# Allegro board rfmc_frontend_v1_00.brd
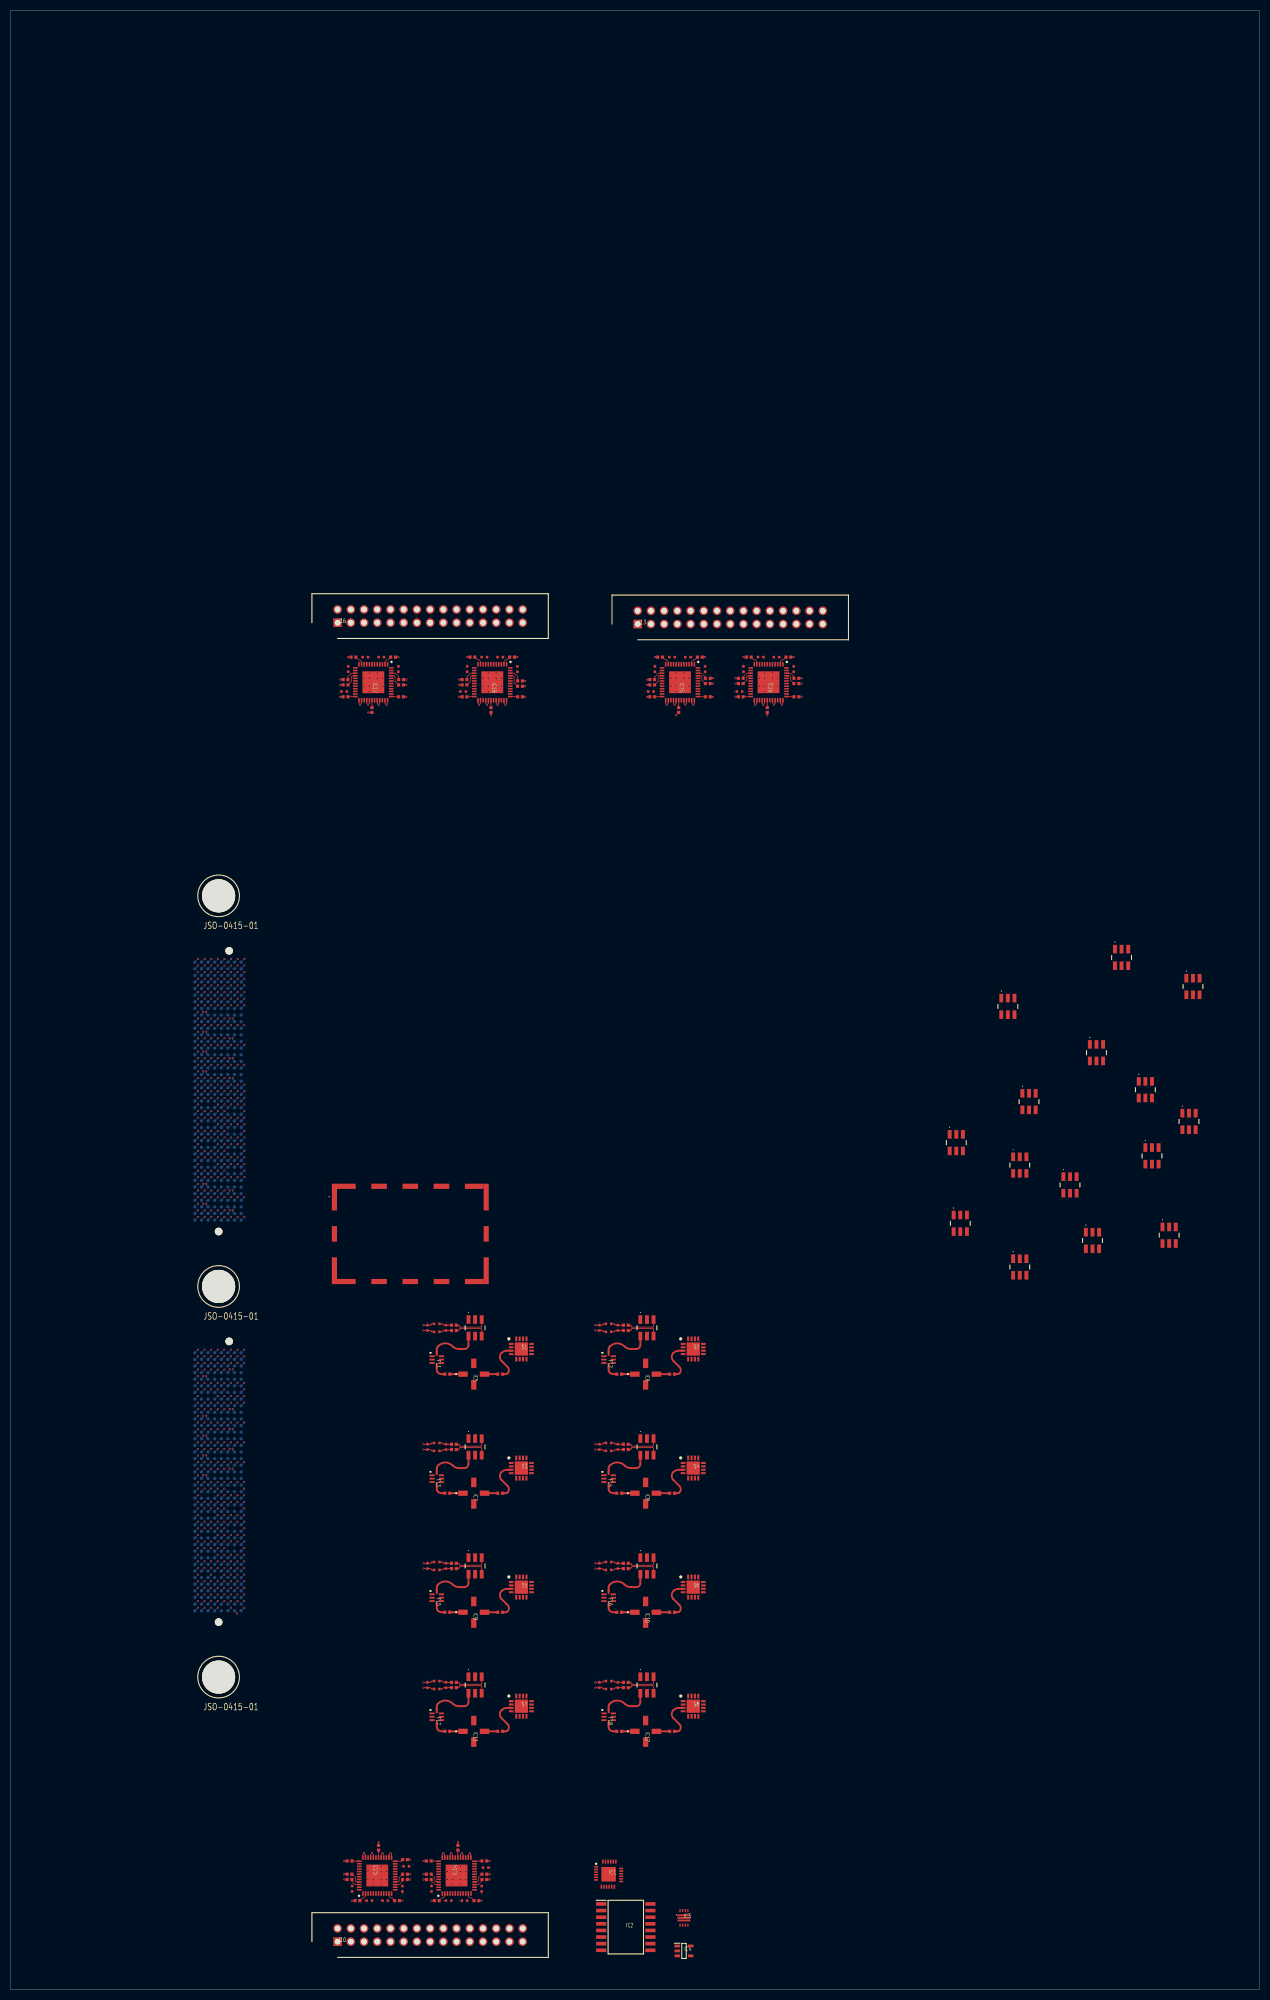
[diagram p0: board, top side]
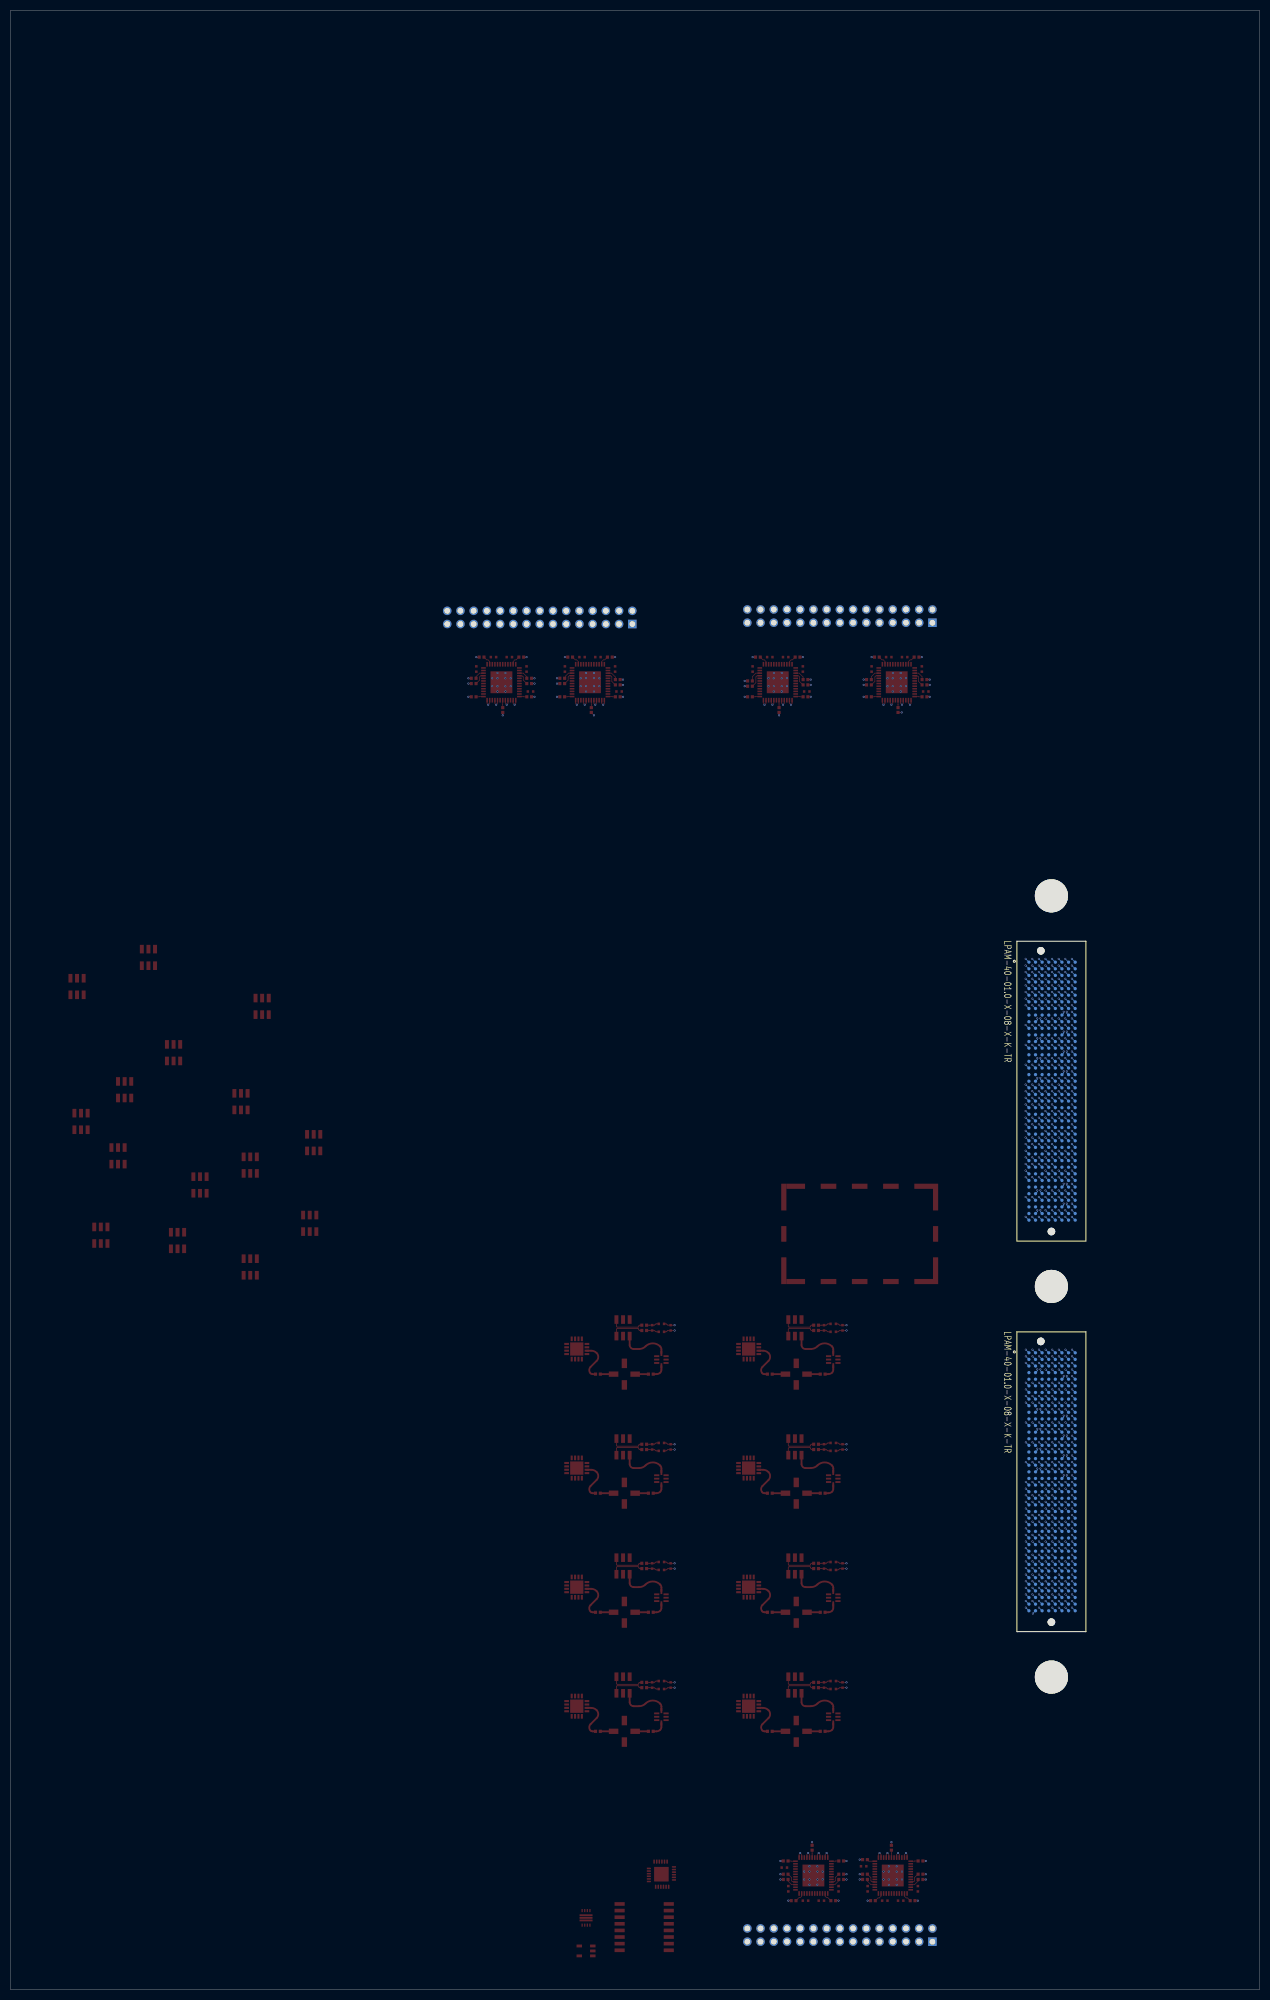
[diagram p1: board, bottom side, seen from below]

Outline 240 x 380 mm; copper layers: TOP, RF_SIG, GND, PWR, D_SIG, BOTTOM. Coordinates in mm from the lower left corner of the outline.
Outline path: 0,380 240,380 240,0 0,0 0,380

## Design rules (mm)
constraint set DEFAULT: min track width 0.15, pair gap 0.119
net group DIFFPAIR0: nets ADC_00_N ADC_00_P
net group DIFFPAIR1: nets ADC_01_N ADC_01_P
net group DIFFPAIR2: nets ADC_02_N ADC_02_P
net group DIFFPAIR3: nets ADC_03_N ADC_03_P
net group DIFFPAIR4: nets ADC_04_N ADC_04_P
net group DIFFPAIR5: nets ADC_05_N ADC_05_P
net group DIFFPAIR6: nets ADC_06_N ADC_06_P
net group DIFFPAIR7: nets ADC_07_N ADC_07_P
net group DIFFPAIR8: nets ADC_CLK_N_0 ADC_CLK_P_0
net group DIFFPAIR9: nets ADC_CLK_N_1 ADC_CLK_P_1
net group DIFFPAIR10: nets ADC_CLK_N_2 ADC_CLK_P_2
net group DIFFPAIR11: nets ADC_CLK_N_3 ADC_CLK_P_3
net group DIFFPAIR15: nets DAC_03_N DAC_03_P
net group DIFFPAIR16: nets DAC_04_N DAC_04_P
net group DIFFPAIR18: nets DAC_06_N DAC_06_P
net group DIFFPAIR19: nets DAC_07_N DAC_07_P
net group DIFFPAIR20: nets DAC_CLK_N_0 DAC_CLK_P_0
net group DIFFPAIR21: nets DAC_CLK_N_1 DAC_CLK_P_1
net group DIFFPAIR22: nets EXT_CLK_N EXT_CLK_P
net group DIFFPAIR23: nets LVDS_IO_N_0 LVDS_IO_P_0
net group DIFFPAIR24: nets LVDS_IO_N_1 LVDS_IO_P_1
net group DIFFPAIR25: nets LVDS_IO_N_10 LVDS_IO_P_10
net group DIFFPAIR26: nets LVDS_IO_N_11 LVDS_IO_P_11
net group DIFFPAIR27: nets LVDS_IO_N_12 LVDS_IO_P_12
net group DIFFPAIR28: nets LVDS_IO_N_13 LVDS_IO_P_13
net group DIFFPAIR29: nets LVDS_IO_N_14 LVDS_IO_P_14
net group DIFFPAIR30: nets LVDS_IO_N_15 LVDS_IO_P_15
net group DIFFPAIR31: nets LVDS_IO_N_16 LVDS_IO_P_16
net group DIFFPAIR32: nets LVDS_IO_N_17 LVDS_IO_P_17
net group DIFFPAIR33: nets LVDS_IO_N_18 LVDS_IO_P_18
net group DIFFPAIR34: nets LVDS_IO_N_19 LVDS_IO_P_19
net group DIFFPAIR35: nets LVDS_IO_N_2 LVDS_IO_P_2
net group DIFFPAIR36: nets LVDS_IO_N_20 LVDS_IO_P_20
net group DIFFPAIR37: nets LVDS_IO_N_21 LVDS_IO_P_21
net group DIFFPAIR38: nets LVDS_IO_N_22 LVDS_IO_P_22
net group DIFFPAIR39: nets LVDS_IO_N_23 LVDS_IO_P_23
net group DIFFPAIR40: nets LVDS_IO_N_3 LVDS_IO_P_3
net group DIFFPAIR41: nets LVDS_IO_N_4 LVDS_IO_P_4
net group DIFFPAIR42: nets LVDS_IO_N_5 LVDS_IO_P_5
net group DIFFPAIR43: nets LVDS_IO_N_6 LVDS_IO_P_6
net group DIFFPAIR44: nets LVDS_IO_N_7 LVDS_IO_P_7
net group DIFFPAIR45: nets LVDS_IO_N_8 LVDS_IO_P_8
net group DIFFPAIR46: nets LVDS_IO_N_9 LVDS_IO_P_9
net group DIFFPAIR47: nets N00697_CH0 N00708_CH0
net group DIFFPAIR48: nets N00697_CH1 N00708_CH1
net group DIFFPAIR49: nets N00697_CH2 N00708_CH2
net group DIFFPAIR50: nets N00697_CH3 N00708_CH3
net group DIFFPAIR51: nets N00697_CH4 N00708_CH4
net group DIFFPAIR52: nets N00697_CH5 N00708_CH5
net group DIFFPAIR53: nets N00697_CH6 N00708_CH6
net group DIFFPAIR54: nets N00697_CH7 N00708_CH7

## Placement (name value [footprint] x y rotation side)
C38  100nF  [CAPC1005X55N]  85.21 126.55 0 top
C40  100nF  [CAPC1005X55N]  85.21 127.56 0 top
C41  100nF  [CAPC1005X55N]  83.94 118.17 0 top
C42  100nF  [CAPC1005X55N]  94.1 118.17 0 top
C50  100nF  [CAPC1005X55N]  118.23 126.55 0 top
C52  100nF  [CAPC1005X55N]  118.23 127.56 0 top
C53  100nF  [CAPC1005X55N]  116.96 118.17 0 top
C54  100nF  [CAPC1005X55N]  127.12 118.17 0 top
C62  100nF  [CAPC1005X55N]  85.21 103.69 0 top
C64  100nF  [CAPC1005X55N]  85.21 104.7 0 top
C65  100nF  [CAPC1005X55N]  83.94 95.31 0 top
C66  100nF  [CAPC1005X55N]  94.1 95.31 0 top
C74  100nF  [CAPC1005X55N]  118.23 103.69 0 top
C76  100nF  [CAPC1005X55N]  118.23 104.7 0 top
C77  100nF  [CAPC1005X55N]  116.96 95.31 0 top
C78  100nF  [CAPC1005X55N]  127.12 95.31 0 top
C86  100nF  [CAPC1005X55N]  85.21 80.83 0 top
C88  100nF  [CAPC1005X55N]  85.21 81.84 0 top
C89  100nF  [CAPC1005X55N]  83.94 72.45 0 top
C90  100nF  [CAPC1005X55N]  94.1 72.45 0 top
C98  100nF  [CAPC1005X55N]  118.23 80.83 0 top
C100  100nF  [CAPC1005X55N]  118.23 81.84 0 top
C101  100nF  [CAPC1005X55N]  116.96 72.45 0 top
C102  100nF  [CAPC1005X55N]  127.12 72.45 0 top
C110  100nF  [CAPC1005X55N]  85.21 57.97 0 top
C112  100nF  [CAPC1005X55N]  85.21 58.98 0 top
C113  100nF  [CAPC1005X55N]  83.94 49.59 0 top
C114  100nF  [CAPC1005X55N]  94.1 49.59 0 top
C122  100nF  [CAPC1005X55N]  118.23 57.97 0 top
C124  100nF  [CAPC1005X55N]  118.23 58.98 0 top
C125  100nF  [CAPC1005X55N]  116.96 49.59 0 top
C126  100nF  [CAPC1005X55N]  127.12 49.59 0 top
C130  100nF  [CAPC1005X55N]  65.15 22.15 0 top
C131  100nF  [CAPC1005X55N]  80.39 21.14 0 top
C132  100nF  [CAPC1005X55N]  80.39 24.69 0 top
C133  100nF  [CAPC1005X55N]  85.97 27.23 270 top
C134  100nF  [CAPC1005X55N]  91.05 24.69 180 top
C135  100nF  [CAPC1005X55N]  91.05 21.14 180 top
C136  100nF  [CAPC1005X55N]  89.53 17.07 180 top
C137  100nF  [CAPC1005X55N]  81.91 17.07 0 top
C138  100nF  [CAPC1005X55N]  80.39 22.15 0 top
C140  100nF  [CAPC1005X55N]  91.05 22.15 180 top
C141  100nF  [CAPC1005X55N]  65.15 24.69 0 top
C142  100nF  [CAPC1005X55N]  70.73 27.23 270 top
C143  100nF  [CAPC1005X55N]  75.81 24.95 180 top
C144  100nF  [CAPC1005X55N]  66.67 17.07 0 top
C145  100nF  [CAPC1005X55N]  75.81 21.14 180 top
C146  100nF  [CAPC1005X55N]  75.81 22.15 180 top
C147  100nF  [CAPC1005X55N]  74.29 17.07 180 top
C148  100nF  [CAPC1005X55N]  65.15 21.14 0 top
C150  100nF  [CAPC1005X55N]  133.98 251.77 180 top
C151  100nF  [CAPC1005X55N]  133.98 250.75 180 top
C152  100nF  [CAPC1005X55N]  128.39 245.67 90 top
C153  100nF  [CAPC1005X55N]  123.31 248.21 0 top
C154  100nF  [CAPC1005X55N]  123.31 251.52 0 top
C155  100nF  [CAPC1005X55N]  123.31 250.5 0 top
C156  100nF  [CAPC1005X55N]  124.84 255.83 0 top
C157  100nF  [CAPC1005X55N]  132.46 255.83 180 top
C158  100nF  [CAPC1005X55N]  133.98 248.21 180 top
C160  100nF  [CAPC1005X55N]  151 248.21 180 top
C161  100nF  [CAPC1005X55N]  151 250.75 180 top
C162  100nF  [CAPC1005X55N]  151 251.77 180 top
C163  100nF  [CAPC1005X55N]  149.47 255.83 180 top
C164  100nF  [CAPC1005X55N]  141.85 255.83 0 top
C165  100nF  [CAPC1005X55N]  140.33 251.77 0 top
C166  100nF  [CAPC1005X55N]  140.33 250.75 0 top
C167  100nF  [CAPC1005X55N]  140.33 248.21 0 top
C168  100nF  [CAPC1005X55N]  145.41 245.67 90 top
C170  100nF  [CAPC1005X55N]  64.38 251.52 0 top
C171  100nF  [CAPC1005X55N]  64.38 250.5 0 top
C172  100nF  [CAPC1005X55N]  64.38 248.21 0 top
C173  100nF  [CAPC1005X55N]  69.46 245.67 90 top
C174  100nF  [CAPC1005X55N]  75.05 248.21 180 top
C175  100nF  [CAPC1005X55N]  75.05 250.5 180 top
C176  100nF  [CAPC1005X55N]  75.05 251.52 180 top
C177  100nF  [CAPC1005X55N]  73.53 255.83 180 top
C178  100nF  [CAPC1005X55N]  65.91 255.83 0 top
C180  100nF  [CAPC1005X55N]  92.32 245.67 90 top
C181  100nF  [CAPC1005X55N]  87.24 248.21 0 top
C182  100nF  [CAPC1005X55N]  87.24 250.5 0 top
C183  100nF  [CAPC1005X55N]  87.24 251.52 0 top
C184  100nF  [CAPC1005X55N]  88.77 255.83 0 top
C185  100nF  [CAPC1005X55N]  96.39 255.83 180 top
C186  100nF  [CAPC1005X55N]  97.91 251.26 180 top
C187  100nF  [CAPC1005X55N]  97.91 250.25 180 top
C188  100nF  [CAPC1005X55N]  97.91 248.21 180 top
FL1  LPF  [LFCG1000]  81.91 120.96 270 top
FL2  LPF  [LFCG1000]  114.93 120.96 270 top
FL3  LPF  [LFCG1000]  81.91 98.1 270 top
FL4  LPF  [LFCG1000]  114.93 98.1 270 top
FL5  LPF  [LFCG1000]  81.91 75.24 270 top
FL6  LPF  [LFCG1000]  114.93 75.24 270 top
FL7  LPF  [LFCG1000]  81.91 52.38 270 top
FL8  LPF  [LFCG1000]  114.93 52.38 270 top
H4  SMS-409F  [SMS409F]  76.83 145.09 0 top
H*  -  [unnamed]  40 210 0 top
H*#2  -  [unnamed]  40 135 0 top
H*#3  -  [unnamed]  40 60 0 top
IC1  TCA9548ARGERQ1  [QFN50P400X400X100-25N-D]  114.93 22.15 0 top
IC2  PCF8574AT_3_518  [SOIC127P1032X265-16N]  118.23 11.99 0 top
IC3  TPS62148RGXR  [TPS621361RGXT]  129.41 13.77 0 top
IC4  LT1761ES5-BYP#TRMPBF  [SOT95P280X100-5N]  129.41 7.42 0 top
IC5  AMP  [ERA3SM]  89.02 118.17 270 top
IC6  AMP  [ERA3SM]  122.04 118.17 270 top
IC7  AMP  [ERA3SM]  89.02 95.31 270 top
IC8  AMP  [ERA3SM]  122.04 95.31 270 top
IC9  AMP  [ERA3SM]  89.02 72.45 270 top
IC10  AMP  [ERA3SM]  122.04 72.45 270 top
IC11  AMP  [ERA3SM]  89.02 49.59 270 top
IC12  AMP  [ERA3SM]  122.04 49.59 270 top
IC13  SN65MLVD040RGZT  [QFN50P700X700X100-49N-D]  70.48 21.9 90 top
IC14  SN65MLVD040RGZT  [QFN50P700X700X100-49N-D]  85.72 21.9 90 top
IC15  SN65MLVD040RGZT  [QFN50P700X700X100-49N-D]  128.65 251.01 270 top
IC16  SN65MLVD040RGZT  [QFN50P700X700X100-49N-D]  145.66 251.01 270 top
IC17  SN65MLVD040RGZT  [QFN50P700X700X100-49N-D]  69.72 251.01 270 top
IC18  SN65MLVD040RGZT  [QFN50P700X700X100-49N-D]  92.58 251.01 270 top
J10  EEM0  [SHDR30W63P254_2X15_4542X859X991P]  62.86 9.2 0 top
J13  EEM1  [SHDR30W63P254_2X15_4542X859X991P]  120.52 262.18 0 top
J16  EEM2  [SHDR30W63P254_2X15_4542X859X991P]  62.86 262.44 0 top
J20  LPAM-40-01.0-S-08-2-K-TR  [LPAM40010S082KTR]  40 97.5 270 bottom
J21  LPAM-40-01.0-S-08-2-K-TR  [LPAM40010S082KTR]  40 172.5 270 bottom
R22  17R4  [ERJ2RKD1004X]  81.91 126.29 0 top
R23  590R0  [ERJ2RKD1004X]  80.13 127.06 270 top
R24  590R0  [ERJ2RKD1004X]  83.69 127.06 270 top
R25  17R4  [ERJ2RKD1004X]  81.91 127.82 0 top
R34  17R4  [ERJ2RKD1004X]  114.93 126.29 0 top
R35  590R0  [ERJ2RKD1004X]  113.15 127.06 270 top
R36  590R0  [ERJ2RKD1004X]  116.71 127.06 270 top
R37  17R4  [ERJ2RKD1004X]  114.93 127.82 0 top
R46  17R4  [ERJ2RKD1004X]  81.91 103.43 0 top
R47  590R0  [ERJ2RKD1004X]  80.13 104.2 270 top
R48  590R0  [ERJ2RKD1004X]  83.69 104.2 270 top
R49  17R4  [ERJ2RKD1004X]  81.91 104.96 0 top
R58  17R4  [ERJ2RKD1004X]  114.93 103.43 0 top
R59  590R0  [ERJ2RKD1004X]  113.15 104.2 270 top
R60  590R0  [ERJ2RKD1004X]  116.71 104.2 270 top
R61  17R4  [ERJ2RKD1004X]  114.93 104.96 0 top
R70  17R4  [ERJ2RKD1004X]  81.91 80.57 0 top
R71  590R0  [ERJ2RKD1004X]  80.13 81.34 270 top
R72  590R0  [ERJ2RKD1004X]  83.69 81.34 270 top
R73  17R4  [ERJ2RKD1004X]  81.91 82.1 0 top
R82  17R4  [ERJ2RKD1004X]  114.93 80.57 0 top
R83  590R0  [ERJ2RKD1004X]  113.15 81.34 270 top
R84  590R0  [ERJ2RKD1004X]  116.71 81.34 270 top
R85  17R4  [ERJ2RKD1004X]  114.93 82.1 0 top
R94  17R4  [ERJ2RKD1004X]  81.91 57.71 0 top
R95  590R0  [ERJ2RKD1004X]  80.13 58.48 270 top
R96  590R0  [ERJ2RKD1004X]  83.69 58.48 270 top
R97  17R4  [ERJ2RKD1004X]  81.91 59.24 0 top
R106  17R4  [ERJ2RKD1004X]  114.93 57.71 0 top
R107  590R0  [ERJ2RKD1004X]  113.15 58.48 270 top
R108  590R0  [ERJ2RKD1004X]  116.71 58.48 270 top
R109  17R4  [ERJ2RKD1004X]  114.93 59.24 0 top
R117  100  [ERJ2RKD1004X]  65.65 19.36 270 top
R118  100  [ERJ2RKD1004X]  72 17.07 0 top
R119  100  [ERJ2RKD1004X]  68.96 17.07 0 top
R120  100  [ERJ2RKD1004X]  75.31 19.36 90 top
R121  10k  [ERJ2RKD1004X]  76.07 23.68 0 top
R122  100  [ERJ2RKD1004X]  80.89 19.36 270 top
R123  100  [ERJ2RKD1004X]  87.24 17.07 0 top
R124  100  [ERJ2RKD1004X]  84.2 17.07 0 top
R125  100  [ERJ2RKD1004X]  90.55 19.36 90 top
R126  10k  [ERJ2RKD1004X]  91.31 23.42 180 top
R127  100  [ERJ2RKD1004X]  133.47 253.55 90 top
R128  100  [ERJ2RKD1004X]  127.12 255.83 180 top
R129  100  [ERJ2RKD1004X]  130.17 255.83 180 top
R130  100  [ERJ2RKD1004X]  123.82 253.55 270 top
R131  10k  [ERJ2RKD1004X]  123.06 249.23 0 top
R132  100  [ERJ2RKD1004X]  150.49 253.55 90 top
R133  100  [ERJ2RKD1004X]  144.14 255.83 180 top
R134  100  [ERJ2RKD1004X]  147.19 255.83 180 top
R135  100  [ERJ2RKD1004X]  140.84 253.55 270 top
R136  10k  [ERJ2RKD1004X]  140.08 249.23 0 top
R137  100  [ERJ2RKD1004X]  74.54 253.55 90 top
R138  100  [ERJ2RKD1004X]  68.19 255.83 180 top
R139  100  [ERJ2RKD1004X]  71.24 255.83 180 top
R140  100  [ERJ2RKD1004X]  64.89 253.55 270 top
R141  10k  [ERJ2RKD1004X]  64.13 249.23 0 top
R142  100  [ERJ2RKD1004X]  97.4 253.55 90 top
R143  100  [ERJ2RKD1004X]  91.05 255.83 180 top
R144  100  [ERJ2RKD1004X]  94.1 255.83 180 top
R145  100  [ERJ2RKD1004X]  87.75 253.55 270 top
R146  10k  [ERJ2RKD1004X]  86.99 249.23 0 top
S1  RFSWITCH  [QFN65P400X400X100-17N]  98.17 122.99 0 top
S2  RFSWITCH  [QFN65P400X400X100-17N]  131.19 122.99 0 top
S3  RFSWITCH  [QFN65P400X400X100-17N]  98.17 100.13 0 top
S4  RFSWITCH  [QFN65P400X400X100-17N]  131.19 100.13 0 top
S5  RFSWITCH  [QFN65P400X400X100-17N]  98.17 77.27 0 top
S6  RFSWITCH  [QFN65P400X400X100-17N]  131.19 77.27 0 top
S7  RFSWITCH  [QFN65P400X400X100-17N]  98.17 54.41 0 top
S8  RFSWITCH  [QFN65P400X400X100-17N]  131.19 54.41 0 top
T1  TCM2-33X+  [TCM233X]  181.73 162.62 0 top
T2  TCM2-33X+  [TCM233X]  195.7 170.49 0 top
T3  TCM2-33X+  [TCM233X]  208.66 179.89 0 top
T4  TCM2-33X+  [TCM233X]  219.32 160.08 0 top
T5  TCM2-33X+  [TCM233X]  226.44 166.68 0 top
T6  TCM2-33X+  [TCM233X]  227.2 192.59 0 top
T7  TCM2-33X+  [TCM233X]  218.05 172.78 0 top
T8  BALUN  [TCM233X]  89.28 127.06 0 top
T9  BALUN  [TCM233X]  213.48 198.18 0 top
T10  BALUN  [TCM233X]  122.3 127.06 0 top
T11  BALUN  [TCM233X]  193.92 158.3 0 top
T12  BALUN  [TCM233X]  89.28 104.2 0 top
T13  BALUN  [TCM233X]  193.92 138.74 0 top
T14  BALUN  [TCM233X]  122.3 104.2 0 top
T15  BALUN  [TCM233X]  182.49 147.12 0 top
T16  BALUN  [TCM233X]  89.28 81.34 0 top
T17  BALUN  [TCM233X]  203.58 154.49 0 top
T18  BALUN  [TCM233X]  122.3 81.34 0 top
T19  BALUN  [TCM233X]  207.89 143.82 0 top
T20  BALUN  [TCM233X]  89.28 58.48 0 top
T21  BALUN  [TCM233X]  222.63 144.84 0 top
T22  BALUN  [TCM233X]  122.3 58.48 0 top
T23  BALUN  [TCM233X]  191.64 188.78 0 top

## Library data of the parts
C38 C40-C42 C50 C52-C54 C62 C64-C66 C74 C76-C78 C86 C88-C90 C98 C100-C102 C110 C112-C114 C122 C124-C126 C130-C138 C140-C148 C150-C158 C160-C168 C170-C178 C180-C188 = TMK105BJ104KV-F
FL1-FL8 = LFCG-1000+
H4 = SMS-409F
IC1 = TCA9548ARGERQ1
IC2 = PCF8574AT_3,518
IC3 = TPS62148RGXR
IC4 = LT1761ES5-BYP#TRMPBF
IC5-IC12 = ERA-3SM+_0
IC13-IC18 = SN65MLVD040RGZT
J10 J13 J16 = N2530-6002-RB
J20 J21 = LPAM-40-01.0-S-08-2-K-TR
R22 R25 R34 R37 R46 R49 R58 R61 R70 R73 R82 R85 R94 R97 R106 R109 = ERJ-2RKF17R4X_0
R23 R24 R35 R36 R47 R48 R59 R60 R71 R72 R83 R84 R95 R96 R107 R108 = ERJ2RKF5900X_0
R117-R120 R122-R125 R127-R130 R132-R135 R137-R140 R142-R145 = ERJ-2RKF1000X_0
R121 R126 R131 R136 R141 R146 = ERJ2RKF1002X_0
S1-S8 = HMC349ALP4CE
T1-T23 = TCM2-33X+_0

## Footprints (pads in the part's own frame, mm; a bottom-side part is the same pattern mirrored in y, then rotated)
CAPC1005X55N
  rect 0.599x0.62 smd: 1(-0.46,0) 2(0.46,0)
ERA3SM
  rect 1.021x1.831 smd: 1(0,-2.07) 3(0,2.07)
  rect 1.831x1.021 smd: 2(2.07,0) 4(-2.07,0)
ERJ2RKD1004X
  rect 0.475x0.5 smd: 1(-0.513,0) 2(0.513,0)
LFCG1000
  rect 0.351x1.001 smd: 1(-0.65,-0.899) 2(0,-0.899) 3(0.65,-0.899) 5(0.65,0.899) 6(0,0.899) 7(-0.65,0.899)
  rect 1.001x0.351 smd: 4(1.199,0) 8(-1.199,0)
LPAM40010S082KTR
  round 1.45 hole 1.45: (-26.949,-2.029) (26.949,0)
  round 0.64 smd: A1(-24.765,-4.321) A2(-23.495,-4.321) A3(-22.225,-4.321) A4(-20.955,-4.321) A5(-19.685,-4.321) A6(-18.415,-4.321) A7(-17.145,-4.321) A8(-15.875,-4.321) A9(-14.605,-4.321) A10(-13.335,-4.321) A11(-12.065,-4.321) A12(-10.795,-4.321) A13(-9.525,-4.321) A14(-8.255,-4.321) A15(-6.985,-4.321) A16(-5.715,-4.321) A17(-4.445,-4.321) A18(-3.175,-4.321) A19(-1.905,-4.321) A20(-0.635,-4.321) A21(0.635,-4.321) A22(1.905,-4.321) A23(3.175,-4.321) A24(4.445,-4.321) A25(5.715,-4.321) A26(6.985,-4.321) A27(8.255,-4.321) A28(9.525,-4.321) A29(10.795,-4.321) A30(12.065,-4.321) A31(13.335,-4.321) A32(14.605,-4.321) A33(15.875,-4.321) A34(17.145,-4.321) A35(18.415,-4.321) A36(19.685,-4.321) A37(20.955,-4.321) A38(22.225,-4.321) A39(23.495,-4.321) A40(24.765,-4.321) B1(-24.765,-3.051) B2(-23.495,-3.051) B3(-22.225,-3.051) B4(-20.955,-3.051) B5(-19.685,-3.051) B6(-18.415,-3.051) B7(-17.145,-3.051) B8(-15.875,-3.051) B9(-14.605,-3.051) B10(-13.335,-3.051) B11(-12.065,-3.051) B12(-10.795,-3.051) B13(-9.525,-3.051) B14(-8.255,-3.051) B15(-6.985,-3.051) B16(-5.715,-3.051) B17(-4.445,-3.051) B18(-3.175,-3.051) B19(-1.905,-3.051) B20(-0.635,-3.051) B21(0.635,-3.051) B22(1.905,-3.051) B23(3.175,-3.051) B24(4.445,-3.051) B25(5.715,-3.051) B26(6.985,-3.051) B27(8.255,-3.051) B28(9.525,-3.051) B29(10.795,-3.051) B30(12.065,-3.051) B31(13.335,-3.051) B32(14.605,-3.051) B33(15.875,-3.051) B34(17.145,-3.051) B35(18.415,-3.051) B36(19.685,-3.051) B37(20.955,-3.051) B38(22.225,-3.051) B39(23.495,-3.051) B40(24.765,-3.051) C1(-24.765,-1.781) C2(-23.495,-1.781) C3(-22.225,-1.781) C4(-20.955,-1.781) C5(-19.685,-1.781) C6(-18.415,-1.781) C7(-17.145,-1.781) C8(-15.875,-1.781) C9(-14.605,-1.781) C10(-13.335,-1.781) C11(-12.065,-1.781) C12(-10.795,-1.781) C13(-9.525,-1.781) C14(-8.255,-1.781) C15(-6.985,-1.781) C16(-5.715,-1.781) C17(-4.445,-1.781) C18(-3.175,-1.781) C19(-1.905,-1.781) C20(-0.635,-1.781) C21(0.635,-1.781) C22(1.905,-1.781) C23(3.175,-1.781) C24(4.445,-1.781) C25(5.715,-1.781) C26(6.985,-1.781) C27(8.255,-1.781) C28(9.525,-1.781) C29(10.795,-1.781) C30(12.065,-1.781) C31(13.335,-1.781) C32(14.605,-1.781) C33(15.875,-1.781) C34(17.145,-1.781) C35(18.415,-1.781) C36(19.685,-1.781) C37(20.955,-1.781) C38(22.225,-1.781) C39(23.495,-1.781) C40(24.765,-1.781) D1(-24.765,-0.511) D2(-23.495,-0.511) D3(-22.225,-0.511) D4(-20.955,-0.511) D5(-19.685,-0.511) D6(-18.415,-0.511) D7(-17.145,-0.511) D8(-15.875,-0.511) D9(-14.605,-0.511) D10(-13.335,-0.511) D11(-12.065,-0.511) D12(-10.795,-0.511) D13(-9.525,-0.511) D14(-8.255,-0.511) D15(-6.985,-0.511) D16(-5.715,-0.511) D17(-4.445,-0.511) D18(-3.175,-0.511) D19(-1.905,-0.511) D20(-0.635,-0.511) D21(0.635,-0.511) D22(1.905,-0.511) D23(3.175,-0.511) D24(4.445,-0.511) D25(5.715,-0.511) D26(6.985,-0.511) D27(8.255,-0.511) D28(9.525,-0.511) D29(10.795,-0.511) D30(12.065,-0.511) D31(13.335,-0.511) D32(14.605,-0.511) D33(15.875,-0.511) D34(17.145,-0.511) D35(18.415,-0.511) D36(19.685,-0.511) D37(20.955,-0.511) D38(22.225,-0.511) D39(23.495,-0.511) D40(24.765,-0.511) E1(-24.765,0.759) E2(-23.495,0.759) E3(-22.225,0.759) E4(-20.955,0.759) E5(-19.685,0.759) E6(-18.415,0.759) E7(-17.145,0.759) E8(-15.875,0.759) E9(-14.605,0.759) E10(-13.335,0.759) E11(-12.065,0.759) E12(-10.795,0.759) E13(-9.525,0.759) E14(-8.255,0.759) E15(-6.985,0.759) E16(-5.715,0.759) E17(-4.445,0.759) E18(-3.175,0.759) E19(-1.905,0.759) E20(-0.635,0.759) E21(0.635,0.759) E22(1.905,0.759) E23(3.175,0.759) E24(4.445,0.759) E25(5.715,0.759) E26(6.985,0.759) E27(8.255,0.759) E28(9.525,0.759) E29(10.795,0.759) E30(12.065,0.759) E31(13.335,0.759) E32(14.605,0.759) E33(15.875,0.759) E34(17.145,0.759) E35(18.415,0.759) E36(19.685,0.759) E37(20.955,0.759) E38(22.225,0.759) E39(23.495,0.759) E40(24.765,0.759) F1(-24.765,2.029) F2(-23.495,2.029) F3(-22.225,2.029) F4(-20.955,2.029) F5(-19.685,2.029) F6(-18.415,2.029) F7(-17.145,2.029) F8(-15.875,2.029) F9(-14.605,2.029) F10(-13.335,2.029) F11(-12.065,2.029) F12(-10.795,2.029) F13(-9.525,2.029) F14(-8.255,2.029) F15(-6.985,2.029) F16(-5.715,2.029) F17(-4.445,2.029) F18(-3.175,2.029) F19(-1.905,2.029) F20(-0.635,2.029) F21(0.635,2.029) F22(1.905,2.029) F23(3.175,2.029) F24(4.445,2.029) F25(5.715,2.029) F26(6.985,2.029) F27(8.255,2.029) F28(9.525,2.029) F29(10.795,2.029) F30(12.065,2.029) F31(13.335,2.029) F32(14.605,2.029) F33(15.875,2.029) F34(17.145,2.029) F35(18.415,2.029) F36(19.685,2.029) F37(20.955,2.029) F38(22.225,2.029) F39(23.495,2.029) F40(24.765,2.029) G1(-24.765,3.299) G2(-23.495,3.299) G3(-22.225,3.299) G4(-20.955,3.299) G5(-19.685,3.299) G6(-18.415,3.299) G7(-17.145,3.299) G8(-15.875,3.299) G9(-14.605,3.299) G10(-13.335,3.299) G11(-12.065,3.299) G12(-10.795,3.299) G13(-9.525,3.299) G14(-8.255,3.299) G15(-6.985,3.299) G16(-5.715,3.299) G17(-4.445,3.299) G18(-3.175,3.299) G19(-1.905,3.299) G20(-0.635,3.299) G21(0.635,3.299) G22(1.905,3.299) G23(3.175,3.299) G24(4.445,3.299) G25(5.715,3.299) G26(6.985,3.299) G27(8.255,3.299) G28(9.525,3.299) G29(10.795,3.299) G30(12.065,3.299) G31(13.335,3.299) G32(14.605,3.299) G33(15.875,3.299) G34(17.145,3.299) G35(18.415,3.299) G36(19.685,3.299) G37(20.955,3.299) G38(22.225,3.299) G39(23.495,3.299) G40(24.765,3.299) H1(-24.765,4.569) H2(-23.495,4.569) H3(-22.225,4.569) H4(-20.955,4.569) H5(-19.685,4.569) H6(-18.415,4.569) H7(-17.145,4.569) H8(-15.875,4.569) H9(-14.605,4.569) H10(-13.335,4.569) H11(-12.065,4.569) H12(-10.795,4.569) H13(-9.525,4.569) H14(-8.255,4.569) H15(-6.985,4.569) H16(-5.715,4.569) H17(-4.445,4.569) H18(-3.175,4.569) H19(-1.905,4.569) H20(-0.635,4.569) H21(0.635,4.569) H22(1.905,4.569) H23(3.175,4.569) H24(4.445,4.569) H25(5.715,4.569) H26(6.985,4.569) H27(8.255,4.569) H28(9.525,4.569) H29(10.795,4.569) H30(12.065,4.569) H31(13.335,4.569) H32(14.605,4.569) H33(15.875,4.569) H34(17.145,4.569) H35(18.415,4.569) H36(19.685,4.569) H37(20.955,4.569) H38(22.225,4.569) H39(23.495,4.569) H40(24.765,4.569)
QFN50P400X400X100-25N-D
  custom 0.803x0.3 smd: 1(-2.4,1.4) 2(-2.4,0.899) 3(-2.4,0.399) 4(-2.4,-0.099) 5(-2.4,-0.599) 6(-2.4,-1.1) 13(2.4,-1.4) 14(2.4,-0.899) 15(2.4,-0.399) 16(2.4,0.099) 17(2.4,0.599) 18(2.4,1.1)
  custom 0.3x0.803 smd: 7(-1.4,-2.4) 8(-0.899,-2.4) 9(-0.399,-2.4) 10(0.099,-2.4) 11(0.599,-2.4) 12(1.1,-2.4) 19(1.4,2.4) 20(0.899,2.4) 21(0.399,2.4) 22(-0.099,2.4) 23(-0.599,2.4) 24(-1.1,2.4)
  rect 2.799x2.799 smd: 25(0,0)
QFN50P700X700X100-49N-D
  rect 0.899x0.3 smd: 1(-3.449,2.751) 2(-3.449,2.25) 3(-3.449,1.75) 4(-3.449,1.25) 5(-3.449,0.749) 6(-3.449,0.249) 7(-3.449,-0.249) 8(-3.449,-0.749) 9(-3.449,-1.25) 10(-3.449,-1.75) 11(-3.449,-2.25) 12(-3.449,-2.751) 25(3.449,-2.751) 26(3.449,-2.25) 27(3.449,-1.75) 28(3.449,-1.25) 29(3.449,-0.749) 30(3.449,-0.249) 31(3.449,0.249) 32(3.449,0.749) 33(3.449,1.25) 34(3.449,1.75) 35(3.449,2.25) 36(3.449,2.751)
  rect 0.3x0.899 smd: 13(-2.751,-3.449) 14(-2.25,-3.449) 15(-1.75,-3.449) 16(-1.25,-3.449) 17(-0.749,-3.449) 18(-0.249,-3.449) 19(0.249,-3.449) 20(0.749,-3.449) 21(1.25,-3.449) 22(1.75,-3.449) 23(2.25,-3.449) 24(2.751,-3.449) 37(2.751,3.449) 38(2.25,3.449) 39(1.75,3.449) 40(1.25,3.449) 41(0.749,3.449) 42(0.249,3.449) 43(-0.249,3.449) 44(-0.749,3.449) 45(-1.25,3.449) 46(-1.75,3.449) 47(-2.25,3.449) 48(-2.751,3.449)
  rect 4.201x4.201 smd: 49(0,0)
QFN65P400X400X100-17N
  rect 0.899x0.399 smd: 1(-1.951,0.975) 2(-1.951,0.325) 3(-1.951,-0.325) 4(-1.951,-0.975) 9(1.951,-0.975) 10(1.951,-0.325) 11(1.951,0.325) 12(1.951,0.975)
  rect 0.399x0.899 smd: 5(-0.975,-1.951) 6(-0.325,-1.951) 7(0.325,-1.951) 8(0.975,-1.951) 13(0.975,1.951) 14(0.325,1.951) 15(-0.325,1.951) 16(-0.975,1.951)
  rect 2.55x2.55 smd: 17(0,0)
SHDR30W63P254_2X15_4542X859X991P
  rect 1.651x1.651 hole 1.1: 1(0,0)
  round 1.651 hole 1.1: 2(0,2.54) 3(2.54,0) 4(2.54,2.54) 5(5.08,0) 6(5.08,2.54) 7(7.62,0) 8(7.62,2.54) 9(10.16,0) 10(10.16,2.54) 11(12.7,0) 12(12.7,2.54) 13(15.24,0) 14(15.24,2.54) 15(17.78,0) 16(17.78,2.54) 17(20.32,0) 18(20.32,2.54) 19(22.86,0) 20(22.86,2.54) 21(25.4,0) 22(25.4,2.54) 23(27.94,0) 24(27.94,2.54) 25(30.48,0) 26(30.48,2.54) 27(33.02,0) 28(33.02,2.54) 29(35.56,0) 30(35.56,2.54)
SMS409F
  rect 0.991x5.141 smd: 1(-14.58,7.069) 3(-14.58,-7.069) 9(14.58,-7.069) 11(14.58,7.069)
  rect 0.991x3 smd: 2(-14.58,0) 10(14.58,0)
  rect 3.589x0.991 smd: 4(-12.291,-9.144) 8(12.291,-9.144) 12(12.291,9.144) 16(-12.291,9.144)
  rect 3x0.991 smd: 5(-5.994,-9.144) 7(5.994,-9.144) 13(5.994,9.144) 15(-5.994,9.144)
  rect 2.99x0.991 smd: 6(0,-9.144) 14(0,9.144)
SOIC127P1032X265-16N
  rect 1.951x0.701 smd: 1(-4.724,4.445) 2(-4.724,3.175) 3(-4.724,1.905) 4(-4.724,0.635) 5(-4.724,-0.635) 6(-4.724,-1.905) 7(-4.724,-3.175) 8(-4.724,-4.445) 9(4.724,-4.445) 10(4.724,-3.175) 11(4.724,-1.905) 12(4.724,-0.635) 13(4.724,0.635) 14(4.724,1.905) 15(4.724,3.175) 16(4.724,4.445)
SOT95P280X100-5N
  rect 1.049x0.549 smd: 1(-1.3,0.95) 2(-1.3,0) 3(-1.3,-0.95) 4(1.3,-0.95) 5(1.3,0.95)
TCM233X
  rect 0.759x1.651 smd: 1(-1.27,1.59) 2(0,1.59) 3(1.27,1.59) 4(1.27,-1.59) 5(0,-1.59) 6(-1.27,-1.59)
TPS621361RGXT
  rect 2.499x0.351 smd: 1(0,0.5) 2(0,0) 3(0,-0.5)
  rect 0.249x0.599 smd: 4(-0.749,-1.4) 5(-0.249,-1.4) 6(0.249,-1.4) 7(0.749,-1.4) 8(0.749,1.4) 9(0.249,1.4) 10(-0.249,1.4) 11(-0.749,1.4)
unnamed
  round 6.35 hole 6.35: (0,0)
